# Altium PCB UAVPoS_V2_0.PcbDoc (part 1 of 3) (continued)
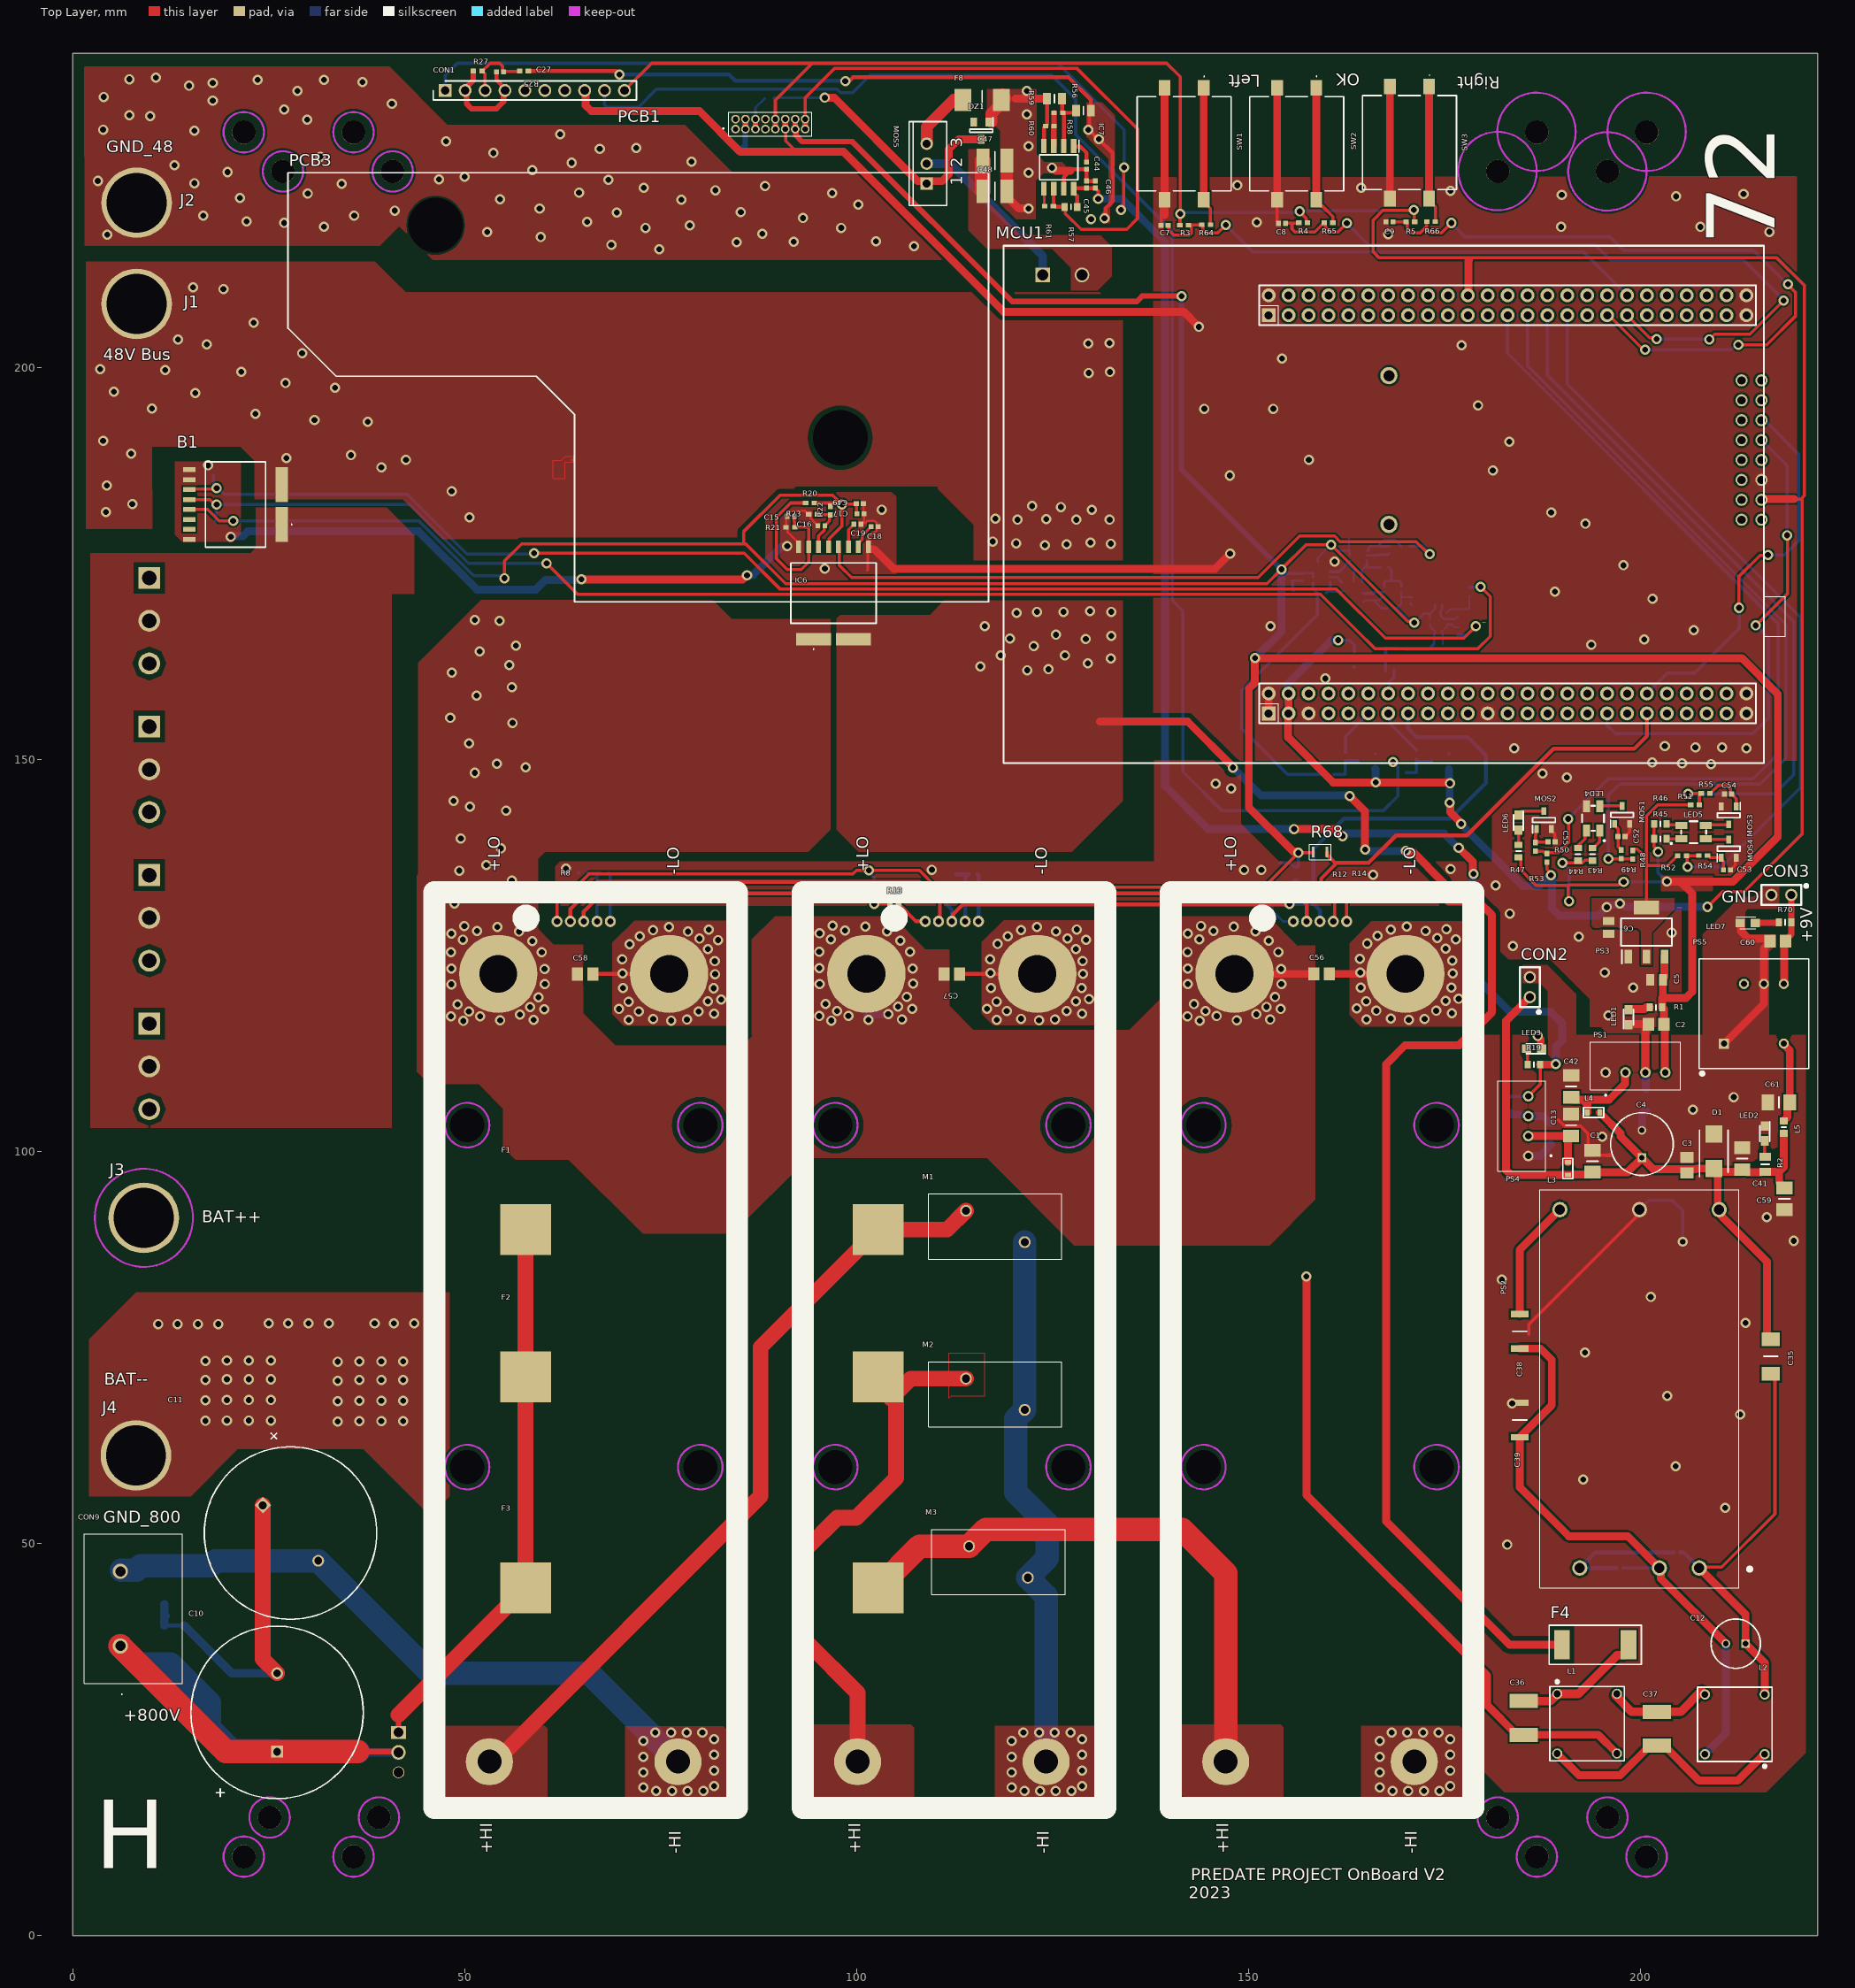
[diagram p0: Top Layer view]
## Components (designator, comment, footprint, x,y, rotation, side; value= is the part's Value field where it differs from the comment) (continued)
R70 "715R" R0603 217.625,129.2 r0 top
SW1 "" 12mm_SMD#1 141.746,228.525 r270 top
SW2 "" 12mm_SMD#1 156.1,228.525 r270 top
SW3 "" 12mm_SMD#2 170.5,228.675 r270 top
U2 "bcm4414" BCM4414 85.823,15 r180 bottom
U3 "bcm4414" BCM4414 132.798,15 r180 bottom
U4 "bcm4414" BCM4414 179.773,15 r180 bottom

## Footprints (in the part's own frame and the unit in brackets; to place one, negate y for a bottom-side part, rotate by r counter-clockwise, add the part's x,y. Pads: shape width x height; smd on the part's side, far side on the other; paste and mask are expansions set on the pad)
2''_x_1'' [mm]
  round 1.95 hole 1.3: 1(0,0) 2(5.08,0) 3(15.24,0) 4(-2.54,-45.72) 5(7.62,-45.72) 6(17.78,-45.72)
  silkscreen extent -6.48,-48.26 20.32,2.54, body extent -5.09,-48.21 20.31,2.59, height 10.7
5AG_Holder [mm]
  rect 6.5x6.5 smd: 1(0,0) 2(45,0)
  body extent -2.79,-9.07 47.75,9.07, height 17.64
12mm_SMD#1 [mm]
  rect 2x1.5 smd: 1(-7.15,2.5) 2(7.15,2.5) 3(-7.15,-2.5) 4(7.15,-2.5)
  Top Layer lines w1: 7.15,-2.5 -7.15,-2.5 ; 7.15,2.5 -7.15,2.5
  silkscreen extent -8.65,-6 6,6, body extent -7.73,-5.97 7.57,6.03, height 8.47
12mm_SMD#2 [mm]
  rect 2x1.5 smd: 1(-7.15,2.5) 2(7.15,2.5) 3(-7.15,-2.5) 4(7.15,-2.5)
  Top Layer lines w1: 7.15,-2.5 0.291,-2.5 -7.15,-2.5 ; 7.15,2.5 -7.15,2.5
  silkscreen extent -8.65,-6 6,6, body extent -7.73,-5.97 7.57,6.03, height 8.47
0805_3k [mm]
  rect 0.35x1.35 smd: 1(-0.875,0) 2(0.875,0)
  silkscreen extent -1.37,-1 1.37,1
3528_metric [mm]
  rect 1.5x0.9 smd: 1(0,0) 2(0,1.7) 3(3.1,0) 4(3.1,1.7)
  silkscreen extent -1.38,-0.65 3.15,2.25, body extent -0.2,-0.55 3.3,2.25, height 0.95
ADUM3221ARZ_Breakout [mm]
  round 1.1 hole 0.7: 1(0,0) 2(1.27,0) 3(2.54,0) 4(3.81,0) 5(5.08,0) 6(6.35,0) 7(7.62,0) 8(8.89,0) 9(0,1.27) 10(1.27,1.27) 11(2.54,1.27) 12(3.81,1.27) 13(5.08,1.27) 14(6.35,1.27) 15(7.62,1.27) 16(8.89,1.27)
  silkscreen extent -1.6,-0.86 9.75,2.13, body extent -8.38,-8.64 17.27,7.25, height 34.42
BCM4414 [mm]
  round 6 hole 3.048 unplated: 1(32.727,7.114) 2(8.669,7.114)
  round 10 hole 4.826 unplated: 3(31.603,107.631) 4(9.793,107.631)
  oval 1.397x1.448 hole 0.8 unplated: 5(24.098,114.32) 6(22.398,114.32) 7(20.698,114.32) 8(18.998,114.32) 9(17.298,114.32)
  round 4 hole 4.369 unplated: ""(5.823,44.7) ""(5.823,88.325) ""(35.573,44.7) ""(35.573,88.325)
  body extent 2.81,2.94 38.47,115.7, height 3.1
C0402#1 [mm]
  rect 0.65x0.64 smd: 1(0,0) 2(0.9,0)
  body extent -0.05,-0.25 0.95,0.25, height 0.56
C0402#2 [mm]
  rect 0.6x0.64 smd: 1(0,0) 2(0.9,0)
  body extent -0.05,-0.25 0.95,0.25, height 0.56
C0402#3 [mm]
  rect 0.5x0.5 smd: 1(0,0) 2(0.9,0)
  body extent -0.05,-0.25 0.95,0.25, height 0.56
C0402#4 [mm]
  rect 0.5x0.64 smd: 1(0,0) 2(0.9,0)
  body extent -0.05,-0.25 0.95,0.25, height 0.56
C0402#5 [mm]
  rect 0.5x0.64 smd: 1(-0.45,0) 2(0.45,0)
  body extent -0.5,-0.25 0.5,0.25, height 0.56
C0402#6 [mm]
  rect 0.65x0.64 smd: 1(-0.45,0) 2(0.45,0)
  body extent -0.5,-0.25 0.5,0.25, height 0.56
C0805#1 [mm]
  rect 1.44x1.66 smd: 1(0,0) 2(1.98,0)
  body extent 0.01,-0.63 2.02,0.63, height 0.94
C0805#2 [mm]
  rect 1.02x1.47 smd: 1(-0.81,0) 2(0.81,0)
  body extent -1.01,-0.63 1,0.62, height 0.94
C1206 [mm]
  rect 1.62x2.06 smd: 1(0,0) 2(2.8,0)
  silkscreen extent 1.4,-0.7 1.4,0.7, body extent -0.2,-0.8 3,0.8, height 1
C1210 [mm]
  rect 1.62x3.01 smd: 1(-1.54,0) 2(1.54,0)
  silkscreen extent 0,-1.15 0,1.15, body extent -1.6,-1.25 1.6,1.25, height 2.3
C1808#1 [mm]
  rect 1.75x2.3 smd: 1(-2.2,0) 2(2.2,0)
  silkscreen extent 0,-0.9 0,0.9, body extent -2.25,-1 2.25,1, height 1.5
C1808#2 [mm]
  rect 0.82x2.22 smd: 1(-2.2,0) 2(2.2,0)
  silkscreen extent 0,-0.9 0,0.9, body extent -2.25,-1 2.25,1, height 1.5
C1812 [mm]
  rect 1.8x3.6 smd: 1(-2.15,0) 2(2.15,0)
  body extent -2.28,-1.6 2.22,1.6, height 3.2
Cap_THT_O6mm-Lead2.5mm [mm]
  rect 1.1x1.1 hole 0.7: 1(0,0)
  round 1.1 hole 0.7: 2(2.5,0)
  silkscreen extent -1.9,-3.15 4.4,3.15, body extent -2.15,-3.4 4.65,3.4, height 12.73
Cap_THT_O8mm [mm]
  rect 1.1x1.1 hole 0.7: 1(0,0)
  round 1.1 hole 0.7: 2(3.5,0)
  silkscreen extent -2.25,-4 5.75,4, body extent -2.5,-4.25 6,4.25, height 13
Cap_THT_O22mm-Lead10mm [mm]
  rect 1.5x1.5 hole 1: 1(0,0)
  round 1.5 hole 1: 2(10,0)
  silkscreen extent -6,-11 16,11, body extent -6.25,-11.25 16.25,11.25, height 48.01
Con1x02_2.54 [mm]
  round 1.55 hole 1.02: 1(0,0) 2(0,-2.54)
  silkscreen extent -1.27,-3.81 1.27,2.03, body extent -1.24,-3.81 1.24,1.27, height 10.52
CON1X02_9.52mm [mm]
  round 1.95 hole 1.3: 1(0,0) 2(9.52,0)
  silkscreen extent -6.2,-7.9 14.28,4.6, body extent -5.32,-7.95 14.29,4.55, height 21.5
Con1x10_2.54 [mm]
  rect 1.65x1.65 hole 1.1: 1(0,0)
  round 1.65 hole 1.1: 2(-2.54,0) 3(-5.08,0) 4(-7.62,0) 5(-10.16,0) 6(-12.7,0) 7(-15.24,0) 8(-17.78,0) 9(-20.32,0) 10(-22.86,0)
  silkscreen extent -24.39,-1.21 1.52,1.2, body extent -24.39,-1.2 1.53,1.2, height 8.51
CZ3AG5 [mm]
  rect 1.59x4.44 smd: 1(-5.895,2.55) 5(-5.895,-2.55)
  rect 1.59x0.64 smd: 9(5.895,-4.445) 10(5.895,-3.175) 11(5.895,-1.905) 12(5.895,-0.635) 13(5.895,0.635) 14(5.895,1.905) 15(5.895,3.175) 16(5.895,4.445)
  silkscreen extent -7.2,-5.45 3.85,5.45
CZ3706 [mm]
  rect 1.59x4.44 smd: 1(-5.895,2.55) 2(-5.895,-2.55)
  rect 1.59x0.64 smd: 3(5.895,-4.445) 4(5.895,-3.175) 5(5.895,-1.905) 6(5.895,-0.635) 7(5.895,0.635) 8(5.895,1.905) 9(5.895,3.175) 10(5.895,4.445)
  silkscreen extent -7.2,-5.45 3.85,5.45
DIP-5 [mm]
  rect 1.3x1.3 hole 0.8: 1(0,0)
  round 1.3 hole 0.8: 4(0,-7.62) 5(7.62,-7.62) 6(7.62,-5.08) 7(7.62,-2.54)
  silkscreen extent -4.01,-10.81 10.81,3.19, body extent -3.19,-10.81 10.81,3.19, height 9.6
DO-214AA-2 [mm]
  rect 2.2x2.15 smd: 1(0,0) 2(4.4,0)
  silkscreen extent -1.07,-1.81 4.9,1.81, body extent -0.5,-1.81 4.9,1.81, height 2.44
F2410 [mm]
  rect 2.15x2.8 smd: 1(0,0) 2(4.91,0)
  silkscreen extent 2.45,-1.17 2.45,1.17, body extent -0.6,-1.27 5.5,1.27, height 2.79
"fuse 1.6A 250V - duplicate" [mm]
  rect 2x3.75 smd: 1(-4.25,0) 2(4.25,0)
  silkscreen extent -5.87,-2.5 5.88,2.5
L3 [mm]
  rect 0.6x0.8 smd: 1(-0.8,0) 2(0.8,0)
  silkscreen extent -1.29,-0.63 1.29,0.64
L0603 [mm]
  rect 0.9x1 smd: 1(0,0) 2(1.6,0)
  silkscreen extent 0.8,-0.3 0.8,0.3, body extent 0,-0.4 1.6,0.4, height 0.95
L0805#1 [mm]
  rect 1.2x1.05 smd: 1(-0.95,0) 2(0.95,0)
  silkscreen extent -1.47,-0.63 1,0.63, body extent -1,-0.63 1,0.63, height 0.7
L0805#2 [mm]
  rect 1.2x1.05 smd: 1(0,0) 2(1.9,0)
  silkscreen extent -0.52,-0.63 1.95,0.62, body extent -0.05,-0.63 1.95,0.63, height 0.7
R0402#1 [mm]
  rect 0.7x0.6 smd: 1(-0.55,0) 2(0.55,0)
  body extent -0.5,-0.25 0.5,0.25, height 0.35
R0402#2 [mm]
  rect 0.3x0.5 smd: 1(-0.4,0) 2(0.4,0)
  silkscreen extent -0.77,-0.51 0.76,0.51
R0603 [mm]
  rect 0.8x1 smd: 1(0,0) 2(1.6,0)
  silkscreen extent 0.8,-0.33 0.8,0.33, body extent 0.03,-0.42 1.58,0.43, height 0.45
R0805 [mm]
  rect 1x1.45 smd: 1(-0.95,0) 2(0.95,0)
  silkscreen extent 0,-0.53 0,0.53, body extent -1,-0.63 1,0.63, height 0.65
R2010 [mm]
  rect 1.05x2.7 smd: 1(0,0) 2(4.9,0)
  silkscreen extent 2.45,-1.15 2.45,1.15, body extent -0.05,-1.25 4.95,1.25, height 0.7
SC-70-6 [mm]
  rect 0.85x0.3 smd: 1(0,0)
  oval 0.85x0.3 smd: 2(0,-0.65) 3(0,-1.3) 4(2.2,-1.3) 5(2.2,-0.65) 6(2.2,0)
  silkscreen extent 0.4,-1.72 1.8,0.42
SIP-4 [mm]
  round 1.349 hole 0.83: 1(0,0) 2(2.54,0) 3(5.08,0) 4(7.62,0)
  silkscreen extent -1.95,-3.01 9.57,3.89, body extent -1.95,-2.21 9.57,3.89, height 10.1
SOIC-8 [mm]
  rect 1.78x0.72 smd: 1(0,0) 2(0,-1.27) 3(0,-2.54) 4(0,-3.81) 5(5.424,-3.81) 6(5.424,-2.54) 7(5.424,-1.27) 8(5.424,0)
  silkscreen extent -0.76,-4.36 4.31,0.67, body extent -0.29,-4.36 5.71,0.55, height 1.75
SOT23-3-GSD [mm]
  rect 1x0.6 smd: 1(0,0) 2(0,-1.9) 3(2.3,-0.95)
  silkscreen extent -0.51,-2.4 1.45,0.51
sot-23-3 [mm]
  rect 1.1x0.85 smd: 1(0.78,2.723) 2(0.78,0.823) 3(2.98,1.773)
  silkscreen extent 0.23,0.3 2.08,3.27, body extent 0.64,0.3 3.12,3.25, height 1.15
SOT-23-3 [mm]
  rect 1.1x0.85 smd: 1(1.1,0) 2(-1.1,0.95) 3(-1.1,-0.95)
  silkscreen extent -1.65,-1.48 0.2,1.5, body extent -1.24,-1.48 1.24,1.48, height 1.15
SOT-223-3 [mm]
  rect 1.75x0.95 smd: 1(0,0) 2(0,-2.3) 3(0,-4.6)
  rect 1.75x3.2 smd: 2(6.3,-2.3)
  silkscreen extent -0.88,-5.55 4.9,0.95, body extent -0.35,-5.55 6.65,0.95, height 1.9
STM32F407G-DISC1 [mil]
  rect 70x70 hole 40: 1(249.24,2487.4) 51(2249.24,2487.4)
  round 70 hole 40: 2(349.24,2487.4) 3(249.24,2387.4) 4(349.24,2387.4) 5(249.24,2287.4) 6(349.24,2287.4) 7(249.24,2187.4) 8(349.24,2187.4) 9(249.24,2087.4) 10(349.24,2087.4) 11(249.24,1987.4) 12(349.24,1987.4) 13(249.24,1887.4) 14(349.24,1887.4) 15(249.24,1787.4) 16(349.24,1787.4) 17(249.24,1687.4) 18(349.24,1687.4) 19(249.24,1587.4) 20(349.24,1587.4) 21(249.24,1487.4) 22(349.24,1487.4) 23(249.24,1387.4) 24(349.24,1387.4) 25(249.24,1287.4) 26(349.24,1287.4) 27(249.24,1187.4) 28(349.24,1187.4) 29(249.24,1087.4) 30(349.24,1087.4) 31(249.24,987.4) 32(349.24,987.4) 33(249.24,887.4) 34(349.24,887.4) 35(249.24,787.4) 36(349.24,787.4) 37(249.24,687.4) 38(349.24,687.4) 39(249.24,587.4) 40(349.24,587.4) 41(249.24,487.4) 42(349.24,487.4) 43(249.24,387.4) 44(349.24,387.4) 45(249.24,287.4) 46(349.24,287.4) 47(249.24,187.4) 48(349.24,187.4) 49(249.24,87.4) 50(349.24,87.4) 52(2349.24,2487.4) 53(2249.24,2387.4) 54(2349.24,2387.4) 55(2249.24,2287.4) 56(2349.24,2287.4) 57(2249.24,2187.4) 58(2349.24,2187.4) 59(2249.24,2087.4) 60(2349.24,2087.4) 61(2249.24,1987.4) 62(2349.24,1987.4) 63(2249.24,1887.4) 64(2349.24,1887.4) 65(2249.24,1787.4) 66(2349.24,1787.4) 67(2249.24,1687.4) 68(2349.24,1687.4) 69(2249.24,1587.4) 70(2349.24,1587.4) 71(2249.24,1487.4) 72(2349.24,1487.4) 73(2249.24,1387.4) 74(2349.24,1387.4) 75(2249.24,1287.4) 76(2349.24,1287.4) 77(2249.24,1187.4) 78(2349.24,1187.4) 79(2249.24,1087.4) 80(2349.24,1087.4) 81(2249.24,987.4) 82(2349.24,987.4) 83(2249.24,887.4) 84(2349.24,887.4) 85(2249.24,787.4) 86(2349.24,787.4) 87(2249.24,687.4) 88(2349.24,687.4) 89(2249.24,587.4) 90(2349.24,587.4) 91(2249.24,487.4) 92(2349.24,487.4) 93(2249.24,387.4) 94(2349.24,387.4) 95(2249.24,287.4) 96(2349.24,287.4) 97(2249.24,187.4) 98(2349.24,187.4) 99(2249.24,87.4) 100(2349.24,87.4)
  silkscreen extent 0,-108 2598,3819, body extent 8,-169 2587,3870, height 1004
TCK-075 [mm]
  round 1.3 hole 0.85: 1(0,0) 2(7.62,0) 3(7.62,7.62) 4(0,7.62)
  silkscreen extent -1.64,-0.94 8.56,8.56, body extent -0.94,-0.94 8.56,8.56, height 7.1
"Through Hole MPT35 27R 1%" [mm]
  rect 1.89x1.89 hole 1.4: 1(2.159,2.5)
  round 1.89 hole 1.4: 2(2.159,7.5)
  silkscreen extent 0,0 4.83,10.16
TO-220 [mm]
  rect 1.65x1.89 hole 1.26: 1(0,0)
  round 1.87 hole 1.26: 2(2.55,0)
  round 1.5 hole 1.26: 3(5.1,0)
  silkscreen extent -2.72,-1.63 7.82,3.07, body extent -2.5,-1.63 7.6,3.07, height 18.74
TO-220-AB [mm] "TO, Thru-Hole, Vertical, Heatsink Mounted; 3 In-Line Leads; Pitch 2.54 mm"
  rect 1.6x1.6 hole 1: 1(-2.54,0)
  round 1.6 hole 1: 2(0,0) 3(2.54,0)
  silkscreen extent -5.35,-2.55 5.35,2.25
TO-247 [mm]
  rect 2.79x2.79 hole 1.86: 1(0,0)
  round 2.79 hole 1.86: 2(5.46,0) 3(10.92,0)
  silkscreen extent -2.47,-2.28 13.39,3.04, body extent -2.33,-2.28 13.25,3.03, height 24.2
"TP-Link MC220L" [mm]
  round 3.86 hole 7 unplated: ""(18.823,-6.652) ""(70.436,-33.753)
  silkscreen extent -0.02,-54.68 89.38,0.05
uart2ethernet [mm]
  round 1.55 hole 1.02: 1(-47.54,-0.6) 2(-47.54,-3.14) 3(-47.54,-5.68) 4(-47.54,-8.22) 5(-47.54,-10.76) 6(-47.54,-13.3) 7(-47.54,-15.84) 8(-47.54,-18.38) 9(-45,-0.6) 10(-45,-3.14) 11(-45,-5.68) 12(-45,-8.22) 13(-45,-10.76) 14(-45,-13.3) 15(-45,-15.84) 16(-45,-18.38)
  round 2.2 hole 1.4: ""(0,-18.98) ""(0,0)
  silkscreen extent -49.57,-20.67 4.15,1.69, body extent -48.81,-19.62 -43.73,0.64, height 10.52
V625LA40AP [mm]
  round 1.515 hole 1.05: 1(0,0) 2(7.5,-4)
  silkscreen extent -4.75,-6.15 12.25,2.15, body extent -4.75,-6.15 12.25,2.15, height 20.6
XT150 [mm]
  round 9 hole 7.65: 1(0,0)

## Part data
B1: "Current Sensor 58.3A 1 Channel Hall Effect, Open Loop Bidirectional 16-PowerSOIC (0.303\", 7.70mm Width), 10 Leads", Manufacturer_Name=AKM, Manufacturer_Part_Number=CZ3AG5, Datasheet Link=https://www.akm.com/content/dam/documents/products/current-sensor/cz3ag5/cz3ag5-en-datasheet.pdf, Geometry.Height=2.45mm
C1 C13 C41 C42 C59 C61: library part CL31B475KBHNFNE, "CAP CER 4.7UF 50V X7R 1206", Capacitance=4.7uF, Case Code (Imperial)=1206, Case Code (Metric)=3216, Dielectric=X7R, Manufacturer=Samsung, Max Operating Temperature=125°C, Min Operating Temperature=-55°C, Package Quantity=1, Supplier Part Number 1=187-CL31B475KBHNFNE, Tolerance=10%, Voltage Rating=50V, Case/Package=1206, Category="Ceramic Capacitors", ComponentLink1Description=https://datasheet.ciiva.com/25726/cl31b475kbh, ComponentLink1URL=https://datasheet.ciiva.com/25726/cl31b475kbh, Construction=Flat, Depth=1.6mm, Height=1.6mm, Length=3.2mm, Manufacturer Part Number=CL31B475KBHNFNE, Mount="Surface Mount", Packaging="Tape and Reel", Part Number=CL31B475KBHNFNE, Pricing 1="1=0,30000, 10=0,13500, 50=0,13500, 100=0,1150", Radiation Hardening=No, RoHS=Yes, RoHS Compliant=Yes, Series=CL, Stock 1=112063, Supplier 1=Mouser, Thickness=0.071inch, Width=0.063inch
C2 C5 C6 C14 C60: library part CL21A106KOQNNNE, "Multilayer Ceramic Capacitors MLCC - SMD/SMT", Capacitance=10uF, Case Code (Imperial)=0805, Case Code (Metric)=2012, Dielectric=X7R, Manufacturer=Samsung, Max Operating Temperature=85°C, Min Operating Temperature=-55°C, Package Quantity=1, Supplier Part Number 1=187-CL21A106KOQNNNE, Tolerance=10%, Voltage=16V, Case/Package=0805, Category="Ceramic Capacitors", Construction=Flat, Depth=1.25mm, Height=1.25mm, Lead Free="Lead Free", Length=2mm, Manufacturer Part Number=CL21A106KOQNNNE, Mount="Surface Mount", Packaging="Tape and Reel", Part Number=CL21A106KOQNNNE, Pricing 1="1=0,10000, 10=0,04100, 50=0,04100, 100=0,0330", Radiation Hardening=No, RoHS=Yes, RoHS Compliant=Yes, Series=CL, Stock 1=580556, Supplier 1=Mouser, Thickness=0.055inch, Voltage Rating=16V, Voltage Rating (DC)=16V, Width=0.049inch
C3: library part CL21B105KBFNNNE, "CAP CER 1UF 50V X7R 0805", Capacitance=1uF, Case Code (Imperial)=0805, Case Code (Metric)=2012, Manufacturer=Samsung, Max Operating Temperature=125°C, Min Operating Temperature=-55°C, Package Quantity=1, Supplier Part Number 1=187-CL21B105KBFNNNE, Tolerance=10%, Voltage Rating=50V, Case/Package=0805, Category="Ceramic Capacitors", Manufacturer Part Number=CL21B105KBFNNNE, Mount="Surface Mount", Packaging="Tape and Reel", Part Number=CL21B105KBFNNNE, Pricing 1="1=0,12000, 10=0,08600, 50=0,08600, 100=0,0410", RoHS=Yes, Stock 1=18533, Supplier 1=Mouser
C4: library part 860010674015, "Aluminium Electrolytic Capacitor, Wcap-Atg8 S", Case/Package=Radial, Manufacturer="Wurth Electronics", Supplier Part Number 1=710-860010674015, Category="Aluminum Electrolytic Capacitors", Manufacturer Part Number=860010674015, Mount="Through Hole", Part Number=860010674015, Pricing 1="1=0,31000, 10=0,30800, 50=0,26400, 100=0,2300", RoHS=Yes, Stock 1=1491, Supplier 1=Mouser
C7 C8 C9 C17 C20 C23 C24 C25 C26 C44 C45: library part C0402C104K3RACTU, "Multilayer Ceramic 25V 0.1uF X7R 0402 10%", Case/Package=0402, Manufacturer=Yageo, Supplier Part Number 1=80-C0402C104K3R, Part Number=C0402C104K3RACTU, Supplier 1=Mouser
C10 C11: library part ESG157M500AQ5AA, "Cap, 150UF, 500V, Alu Elec, Radial", Capacitance=150uF, Case/Package=Radial, Manufacturer=KEMET, Max Operating Temperature=105°C, Min Operating Temperature=-40°C, Supplier Part Number 1=80-ESG157M500AQ5AA, Tolerance=20%, Voltage Rating=500V, ComponentLink1Description=https://api.kemet.com/component-edge/download, ComponentLink1URL=https://api.kemet.com/component-edge/download, Life (Hours)=5000Hour, Manufacturer Part Number=ESG157M500AQ5AA, Mount="Through Hole", Packaging=Bulk, Part Number=ESG157M500AQ5AA, Polarity=Polar, Pricing 1="1=7,95000, 10=7,08000, 50=6,19000, 100=5,6600", RoHS=Yes, RoHS Compliant=No, Stock 1=2172, Supplier 1=Mouser
C12: library part ESH106M100AE3AA, "Cap Aluminum 10uF 100V 20% (6 X 11mm) Radial", Case/Package=Radial, Manufacturer=KEMET, Supplier Part Number 1=80-ESH106M100AE3AA, Category="Aluminum Electrolytic Capacitors", Manufacturer Part Number=ESH106M100AE3AA, Mount="Through Hole,PCB", Part Number=ESH106M100AE3AA, Pricing 1="1=0,26000, 10=0,18100, 50=0,12100, 100=0,1030", RoHS=Yes, Stock 1=18650, Supplier 1=Mouser
C15 C16 C18 C19: library part CC0402KRX7R8BB332, "0402 3.3 nF 25 V ±10 % Tolerance X7R SMT Mult", Capacitance=3.3nF, Case Code (Imperial)=0402, Case Code (Metric)=1005, Dielectric=X7R, Dielectric Material=Ceramic, Manufacturer=Yageo, Max Operating Temperature=125°C, Min Operating Temperature=-55°C, Supplier Part Number 1=603-CC402KRX7R8BB332, Tolerance=10%, Voltage Rating=25V, Case/Package=0402, Category="Ceramic Capacitors", Manufacturer Part Number=CC0402KRX7R8BB332, Mount="Surface Mount", Packaging="Cut Tape", Part Number=CC0402KRX7R8BB332, Pricing 1="1=0,10000, 10=0,01300, 50=0,01300, 100=0,0110", Resistor Type=Ceramic, RoHS=Yes, Stock 1=41479, Supplier 1=Mouser, Termination=SMD/SMT, Voltage Rating (DC)=25V, Weight=2.3E-05oz
C21 C22 C27 C52 C53 C54 C55: library part AC0402KRX7R8BB102, "Cap Ceramic 0.001uF 25V X7R 10% SMD 0402 125°", Capacitance=1nF, Case Code (Imperial)=0402, Case Code (Metric)=1005, Manufacturer=Yageo, Max Operating Temperature=125°C, Min Operating Temperature=-55°C, Ratings=AEC-Q200, Supplier Part Number 1=603-AC402KRX7R8BB102, Tolerance=10%, Voltage Rating=25V, Case/Package=0402, Category="Ceramic Capacitors", ComponentLink1Description=http://www.yageo.com/documents/recent/UPY-AC_, ComponentLink1URL=http://www.yageo.com/documents/recent/UPY-AC_, ComponentLink2Description=https://www.yageo.com/upload/media/product/pr, ComponentLink2URL=https://www.yageo.com/upload/media/product/pr, Manufacturer Part Number=AC0402KRX7R8BB102, Mount="Surface Mount", Packaging="Cut Tape", Part Number=AC0402KRX7R8BB102, Pricing 1="1=0,10000, 10=0,02700, 50=0,02700, 100=0,0220", RoHS=Yes, RoHS Compliant=Yes, Stock 1=53012, Supplier 1=Mouser
C28 C29 C30 C31: library part GRM1555C1E100GA01D, "Cap Ceramic 10pF 25V C0G 2% Pad SMD 0402 125C", Capacitance=10pF, Dielectric=C0G, Manufacturer=Murata, Supplier Part Number 1=81-GRM1555C1E100GA1D, Tolerance=2%, Voltage Rating (DC)=25V, Category="Ceramic Capacitors", Length=1mm, Manufacturer Part Number=GRM1555C1E100GA01D, Part Number=GRM1555C1E100GA01D, Pricing 1="1=0,10000, 10=0,02600, 50=0,02600, 100=0,0120", RoHS=Yes, RoHS Compliant=Yes, Stock 1=74874, Supplier 1=Mouser, Thickness=500um, Width=500um
C32 C33 C34: library part C0402C103K3RAC7411, "Multilayer Ceramic 25V 0.01uF X7R 0402 10%", Case/Package=0402, Manufacturer=Yageo, Supplier Part Number 1=80-C0402C103K3R7411, Part Number=C0402C103K3RAC7411, Supplier 1=Mouser
C35 C38 C39: library part GR442QR73D102KW01L, "Cap Ceramic 0.001uF 2000V X7R 10% SMD 1808 12", Capacitance=1nF, Case Code (Imperial)=1808, Case Code (Metric)=4520, Dielectric=X7R, Manufacturer=Murata, Max Operating Temperature=125°C, Min Operating Temperature=-55°C, Package Quantity=1, Supplier Part Number 1=81-GR442QR73D102KW01, Tolerance=10%, Voltage=2kV, Case/Package=1808, Category="Ceramic Capacitors", ComponentLink1Description=https://datasheet.ciiva.com/29540/product-295, ComponentLink1URL=https://datasheet.ciiva.com/29540/product-295, ComponentLink2Description=https://datasheet.ciiva.com/11789/0900766b80e, ComponentLink2URL=https://datasheet.ciiva.com/11789/0900766b80e, ComponentLink3Description=https://datasheet.ciiva.com/18183/getdatashee, ComponentLink3URL=https://datasheet.ciiva.com/18183/getdatashee, ComponentLink4Description=https://datasheet.ciiva.com/29540/partnumberi, ComponentLink4URL=https://datasheet.ciiva.com/29540/partnumberi, ComponentLink5Description=https://datasheet.ciiva.com/16497/product-164, ComponentLink5URL=https://datasheet.ciiva.com/16497/product-164, Construction=Flat, Depth=2mm, Height=1.5mm, Lead Free="Lead Free", Length=4.5mm, Manufacturer Part Number=GR442QR73D102KW01L, Mount="Surface Mount", Packaging="Tape and Reel", Part Number=GR442QR73D102KW01L, Pricing 1="1=0,44000, 10=0,27800, 50=0,27800, 100=0,2060", Radiation Hardening=No, Reach SVHC Compliant=Yes, RoHS=Yes, RoHS Compliant=Yes, Series=GR4, Stock 1=172848, Supplier 1=Mouser, Termination=SMD/SMT, Thickness=0.059inch, Voltage Rating=2kV, Voltage Rating (DC)=2kV, Width=0.079inch
C36 C37: library part C4532X7R2A225K230KA, "C Series 1812 2.2 uF 100 V ±10 % Tolerance X7", Capacitance=2.2uF, Case Code (Imperial)=1812, Case Code (Metric)=4532, Dielectric=X7R, Manufacturer=TDK, Max Operating Temperature=125°C, Min Operating Temperature=-55°C, Package Quantity=500, Resistor Type=Ceramic, Supplier Part Number 1=810-C4532X7R2A225K, Tolerance=10%, Voltage=100V, Case/Package=1812, Category="Ceramic Capacitors", ComponentLink1Description=https://datasheet.ciiva.com/24216/c4532x7r2a2, ComponentLink1URL=https://datasheet.ciiva.com/24216/c4532x7r2a2, ComponentLink2Description=https://datasheet.ciiva.com/11788/0900766b80f, ComponentLink2URL=https://datasheet.ciiva.com/11788/0900766b80f, ComponentLink3Description=https://datasheet.ciiva.com/22725/1913358-227, ComponentLink3URL=https://datasheet.ciiva.com/22725/1913358-227, ComponentLink4Description=https://datasheet.ciiva.com/23803/1796654-238, ComponentLink4URL=https://datasheet.ciiva.com/23803/1796654-238, Construction=Flat, Depth=3.2mm, Height=2.3mm, Lead Free="Lead Free", Length=4.5mm, Manufacturer Part Number=C4532X7R2A225K230KA, Mount="Surface Mount", Number of Pins=2, Packaging="Tape and Reel", Part Number=C4532X7R2A225K230KA, Pricing 1="1=0,86000, 10=0,54600, 50=0,54600, 100=0,4700", Radiation Hardening=No, Reach SVHC Compliant=Yes, RoHS=Yes, RoHS Compliant=Yes, Series=C, Stock 1=28251, Supplier 1=Mouser, Termination=SMD/SMT, Thickness=0.098inch, Voltage Rating=100V, Voltage Rating (DC)=100V, Weight=0.000952oz, Width=3.2mm
C40 C43: library part 1206GC271KAT1A, "1206 HV 270pF Ceramic Multilayer Cap; 2000Vdc", Capacitance=270pF, Case Code (Imperial)=1206, Case Code (Metric)=3216, Dielectric=X7R, Dielectric Material=Ceramic, Manufacturer="Kyocera AVX", Max Operating Temperature=125°C, Min Operating Temperature=-55°C, Package Quantity=2000, Supplier Part Number 1=581-1206GC271KAT1A, Temperature Coefficient=30ppm/°C, Tolerance=10%, Voltage=2kV, Case/Package=1206, Category="Ceramic Capacitors", ComponentLink1Description=https://datasheet.ciiva.com/11787/0900766b80d, ComponentLink1URL=https://datasheet.ciiva.com/11787/0900766b80d, ComponentLink2Description=https://datasheet.ciiva.com/215/aphvc-215777., ComponentLink2URL=https://datasheet.ciiva.com/215/aphvc-215777., ComponentLink3Description=https://datasheet.ciiva.com/11541/aphvc-11541, ComponentLink3URL=https://datasheet.ciiva.com/11541/aphvc-11541, ComponentLink4Description=https://datasheet.ciiva.com/13190/aphvc-13190, ComponentLink4URL=https://datasheet.ciiva.com/13190/aphvc-13190, Construction=Flat, Depth=1.6mm, Height=1.52mm, Lead Free="Lead Free", Length=3.2mm, Manufacturer Part Number=1206GC271KAT1A, Mount="Surface Mount", Number of Pins=2, Packaging="Tape and Reel", Part Number=1206GC271KAT1A, Pricing 1="1=0,74000, 10=0,55200, 50=0,55200, 100=0,3780", Radiation Hardening=No, Reach SVHC Compliant=Yes, RoHS=Yes, RoHS Compliant=Yes, Series=-, Stock 1=4864, Supplier 1=Mouser, Termination=SMD/SMT, Thickness=0.06inch, Voltage Rating=2kV, Voltage Rating (DC)=2kV, Width=0.063inch
C46 C49 C50 C51: library part GRM155C81E225ME11D, "Ceramic 2.2UF 25V 20% 0402", Case/Package=0402, Part Number=GRM155C81E225ME11D
C47 C48: library part GRM32EC72A106KE05L, "Multilayer Ceramic Capacitors MLCC - SMD/SMT", Capacitance=10uF, Case Code (Imperial)=1210, Case Code (Metric)=3225, Manufacturer=Murata, Max Operating Temperature=125°C, Min Operating Temperature=-55°C, Supplier Part Number 1=81-GRM32EC72A106KE05, Tolerance=10%, Voltage Rating=100V, Case/Package=1210, Category="Ceramic Capacitors", ComponentLink1Description=http://search.murata.co.jp/Ceramy/image/img/A, ComponentLink1URL=http://search.murata.co.jp/Ceramy/image/img/A, Manufacturer Part Number=GRM32EC72A106KE05L, Mount="Surface Mount", Packaging="Tape and Reel", Part Number=GRM32EC72A106KE05L, Pricing 1="1=1,10000, 10=0,75300, 50=0,75300, 100=0,6510", RoHS=Yes, RoHS Compliant=Yes, Stock 1=270379, Supplier 1=Mouser
C56 C57 C58: library part CL21B104KCFNNNE, "CAP CER 0.1UF 100V X7R 0805", Capacitance=100nF, Case Code (Imperial)=0805, Case Code (Metric)=2012, Dielectric=X7R, Manufacturer=Samsung, Max Operating Temperature=125°C, Min Operating Temperature=-55°C, Supplier Part Number 1=187-CL21B104KCFNNNE, Tolerance=10%, Voltage Rating=100V, Case/Package=0805, Category="Ceramic Capacitors", ComponentLink1Description=https://datasheet.ciiva.com/26936/getdatashee, ComponentLink1URL=https://datasheet.ciiva.com/26936/getdatashee, Depth=1.25mm, Length=2mm, Manufacturer Part Number=CL21B104KCFNNNE, Mount="Surface Mount", Packaging="Tape and Reel", Part Number=CL21B104KCFNNNE, Pricing 1="1=0,10000, 10=0,03000, 50=0,03000, 100=0,0250", Radiation Hardening=No, RoHS=Yes, RoHS Compliant=Yes, Series=CL, Stock 1=299285, Supplier 1=Mouser, Thickness=0.053inch, Width=0.049inch
CON1: "Headers & Wire Housings Tiger Buy Socket Stri", Case/Package=Module, Color=Black, Contact Current Rating=3A, Contact Resistance=10mR, Flammability Rating="UL94 V-0", Manufacturer=Samtec, Max Current Rating=7.6A, Max Operating Temperature=105°C, Max Voltage Rating (AC)=550V, Min Operating Temperature=-55°C, Package Quantity=14000, Supplier Part Number 1=200-SSQ11001TS, Approvals=UR, Category="Headers and Wire Housings", ComponentLink1Description=https://datasheet.ciiva.com/748/ssq-1xx-xx-xx, ComponentLink1URL=https://datasheet.ciiva.com/748/ssq-1xx-xx-xx, ComponentLink2Description=https://datasheet.ciiva.com/409/m50-390-40926, ComponentLink2URL=https://datasheet.ciiva.com/409/m50-390-40926, ComponentLink3Description=https://datasheet.ciiva.com/8047/1693795-8047, ComponentLink3URL=https://datasheet.ciiva.com/8047/1693795-8047, ComponentLink4Description=https://datasheet.ciiva.com/8047/m50-390-8047, ComponentLink4URL=https://datasheet.ciiva.com/8047/m50-390-8047, ComponentLink5Description=https://datasheet.ciiva.com/699/eng-cs-130781, ComponentLink5URL=https://datasheet.ciiva.com/699/eng-cs-130781, ComponentLink6Description=https://datasheet.ciiva.com/1456/44697-145649, ComponentLink6URL=https://datasheet.ciiva.com/1456/44697-145649, ComponentLink7Description=https://datasheet.ciiva.com/11754/0900766b80d, ComponentLink7URL=https://datasheet.ciiva.com/11754/0900766b80d, ComponentLink8Description=https://datasheet.ciiva.com/1421/1759173-1421, ComponentLink8URL=https://datasheet.ciiva.com/1421/1759173-1421, ComponentLink9Description=https://datasheet.ciiva.com/16507/eng-cs-1307, ComponentLink9URL=https://datasheet.ciiva.com/16507/eng-cs-1307, ComponentLink10Description=https://datasheet.ciiva.com/30124/eng-cs-1307, ComponentLink10URL=https://datasheet.ciiva.com/30124/eng-cs-1307, ComponentLink11Description=https://datasheet.ciiva.com/14645/70086725-14, ComponentLink11URL=https://datasheet.ciiva.com/14645/70086725-14, ComponentLink12Description=https://datasheet.ciiva.com/767/eng-cd-881545, ComponentLink12URL=https://datasheet.ciiva.com/767/eng-cd-881545, ComponentLink13Description=https://datasheet.ciiva.com/775/9021150000-77, ComponentLink13URL=https://datasheet.ciiva.com/775/9021150000-77, ComponentLink14Description=https://datasheet.octopart.com/9021150000-Wei, ComponentLink14URL=https://datasheet.octopart.com/9021150000-Wei, ComponentLink15Description=https://datasheet.octopart.com/9021150000-Wei, ComponentLink15URL=https://datasheet.octopart.com/9021150000-Wei, Connector Type=Receptacle, Contact Gender=Female, Contact Material=Bronze, Contact Mating Length=0.15inch, Contact Plating=Tin,Matte, Contact Type="Female Socket", Current Rating=3A, Depth=2.41mm, Gender=Female, Height=10.9mm, Housing Color=Black, Housing Material=Polymer, Lead Free="Lead Free", Length=25.91mm, Manufacturer Part Number=SSQ-110-01-T-S, Mount="Through Hole", Number of Contacts=10, Number of Positions=10, Number of Rows=1, Orientation=Straight, Packaging=Bulk, Part Number=SSQ-110-01-T-S, Pin Length=12mm, Pitch=2.54mm, Plating Thickness=0.381um, Pricing 1="1=1,75000, 10=1,59000, 50=1,59000, 100=1,3600", Radiation Hardening=No, Reach SVHC Compliant=Yes, RoHS=Yes, RoHS Compliant=Yes, Row Spacing=0.05inch, Series=SSQ, Stock 1=163, Supplier 1=Mouser, Termination=Solder, Width=2.41mm
CON2 CON3: "Breakaway Header; KK 254; Vertical; 2 Circuit", Manufacturer=Molex, Supplier Part Number 1=538-22-28-4024, Category="Headers and Wire Housings", ComponentLink1Description=https://datasheet.ciiva.com/10088/0022284024-, ComponentLink1URL=https://datasheet.ciiva.com/10088/0022284024-, ComponentLink2Description=https://datasheet.ciiva.com/5153/0022284024-p, ComponentLink2URL=https://datasheet.ciiva.com/5153/0022284024-p, ComponentLink3Description=https://datasheet.ciiva.com/30120/63280022284, ComponentLink3URL=https://datasheet.ciiva.com/30120/63280022284, ComponentLink4Description=https://datasheet.ciiva.com/18451/70090858-18, ComponentLink4URL=https://datasheet.ciiva.com/18451/70090858-18, ComponentLink5Description=https://datasheet.ciiva.com/1433/1856632-1433, ComponentLink5URL=https://datasheet.ciiva.com/1433/1856632-1433, Manufacturer Part Number=22-28-4024, Part Number=22-28-4024, Pricing 1="1=0,22000, 10=0,17700, 50=0,17700, 100=0,1270", RoHS=Yes, Stock 1=11115, Supplier 1=Mouser